# Altium PCB OZ440-SE110-CAR001.PcbDoc (part 1 of 2)
Units mm, origin at the board's own origin, x right, y up, seen from the top; angles counter-clockwise.
Board outline 181.1 x 89.8 mm, 4 copper layers (Top Layer, Mid-Layer 1, Mid-Layer 2, Bottom Layer), stack 1.448 mm thick; 81 components, 74 nets, 400 pads, 570 vias.
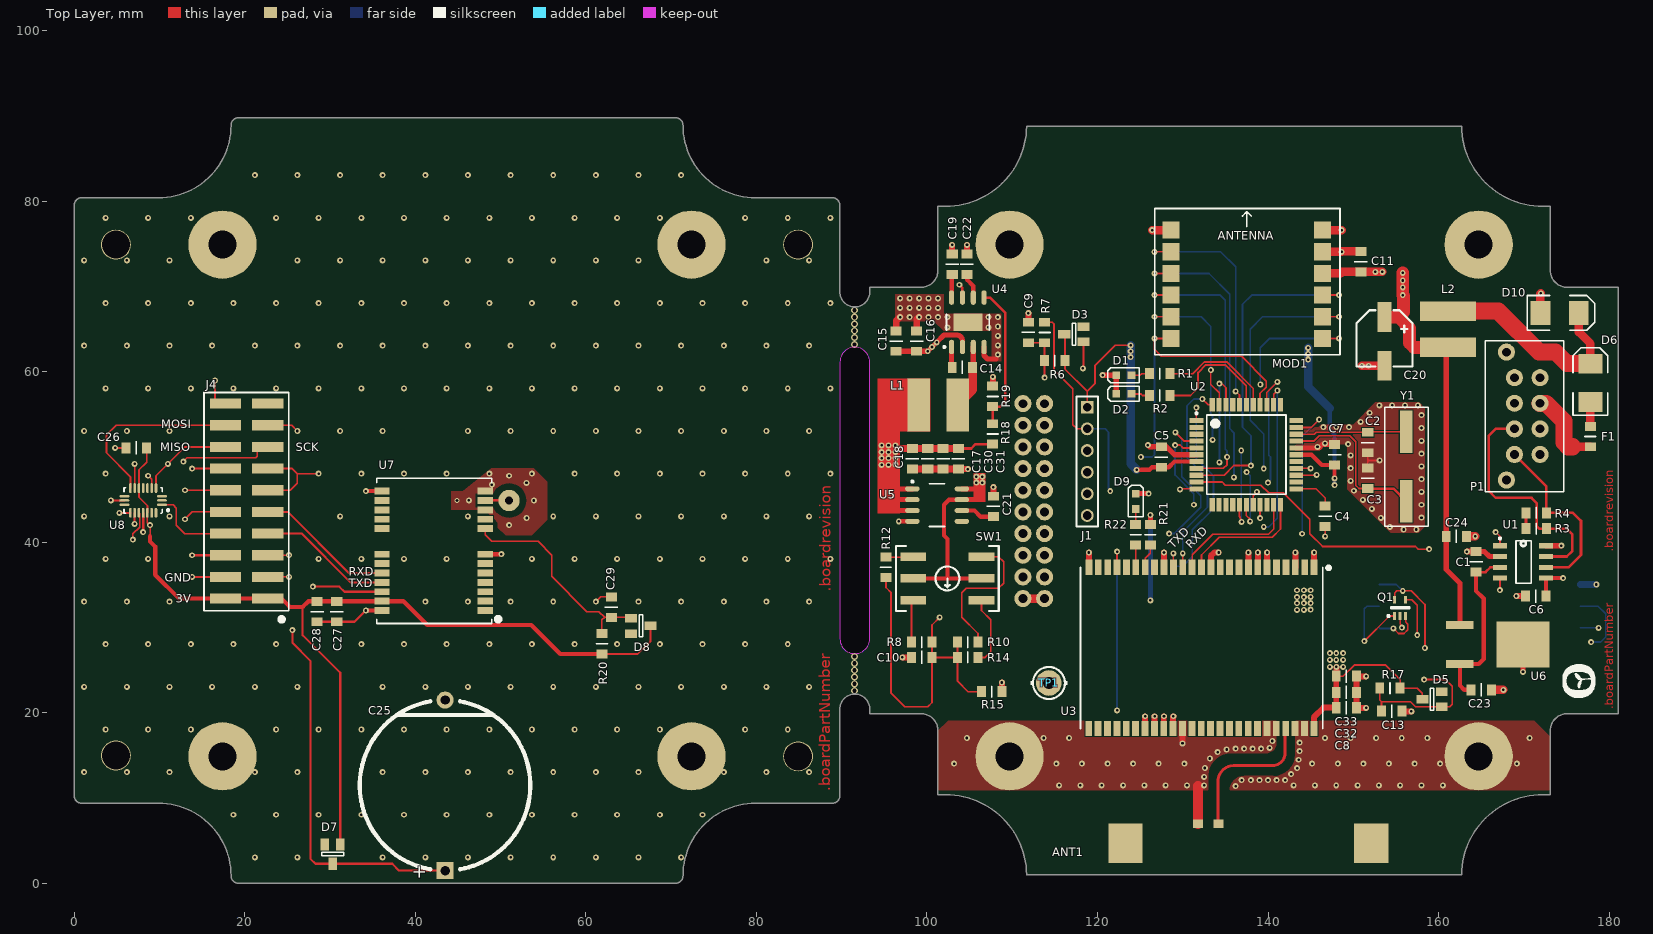
[diagram p0: Top Layer view]
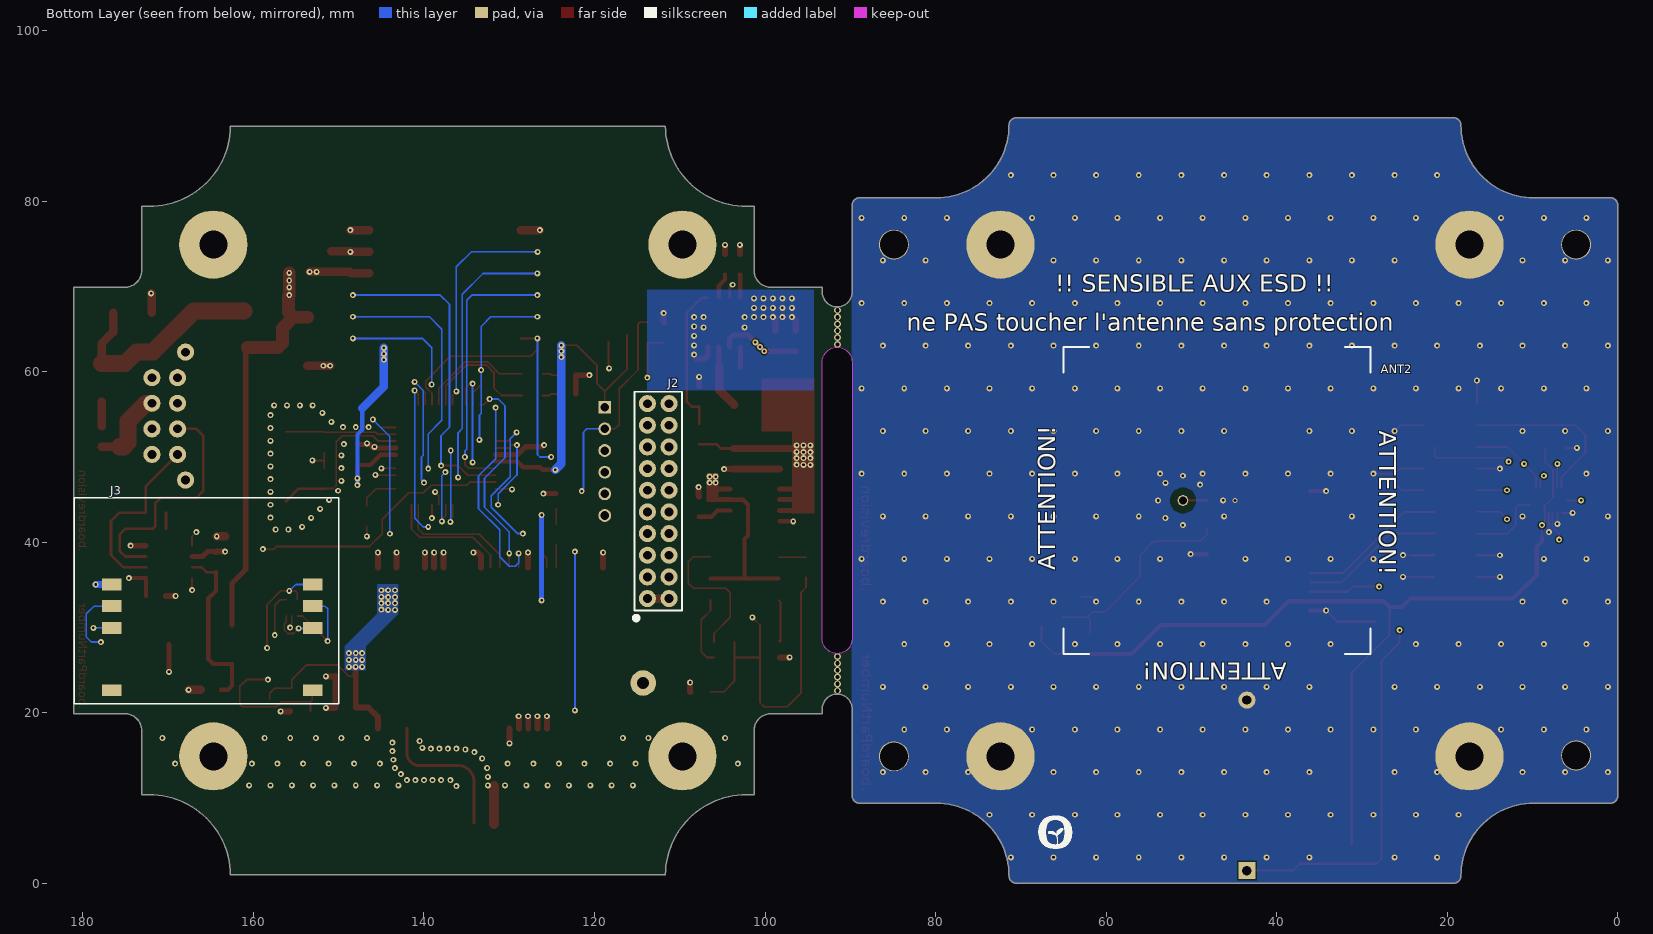
[diagram p1: Bottom Layer view, seen from below]
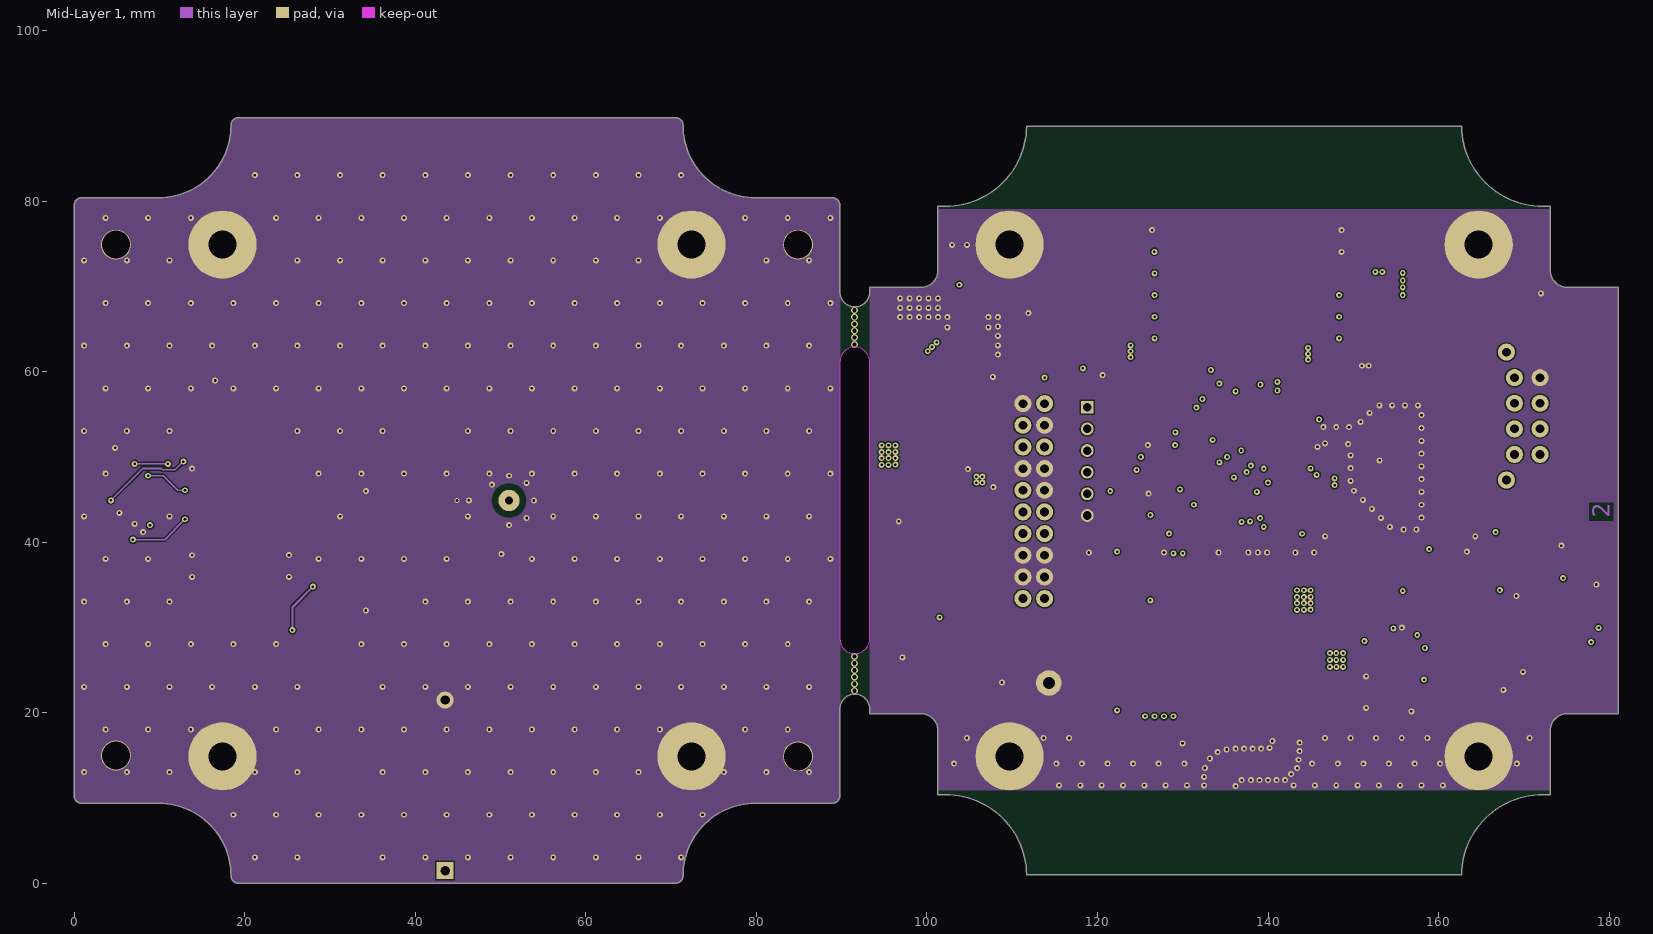
[diagram p2: Mid-Layer 1]
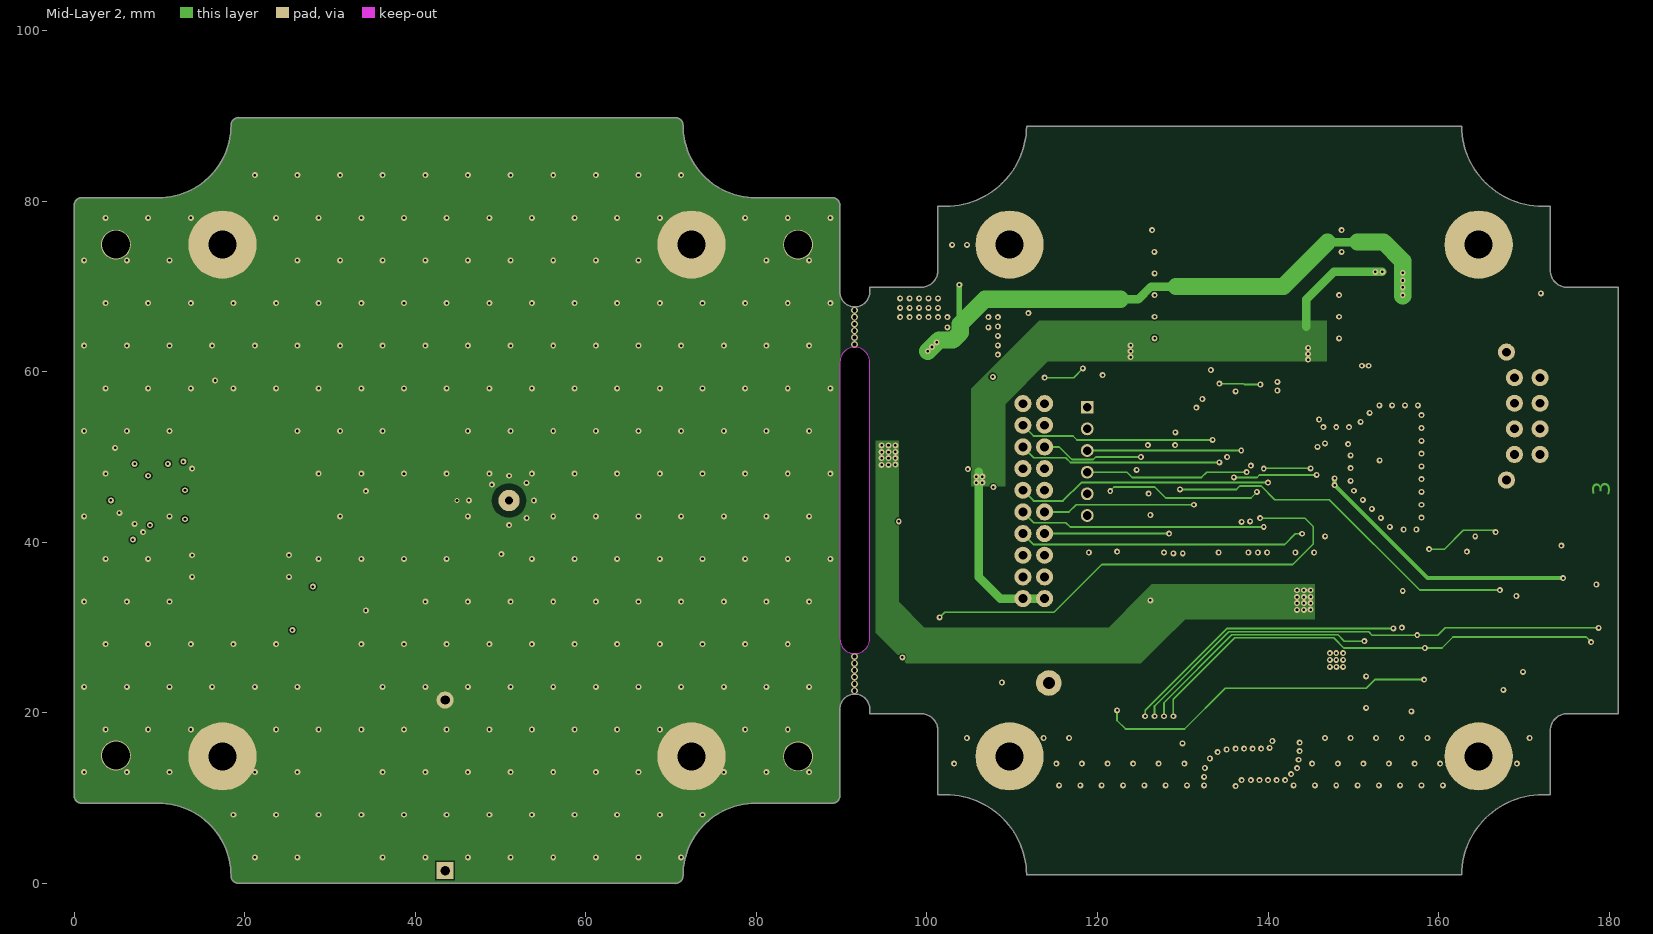
[diagram p3: Mid-Layer 2]
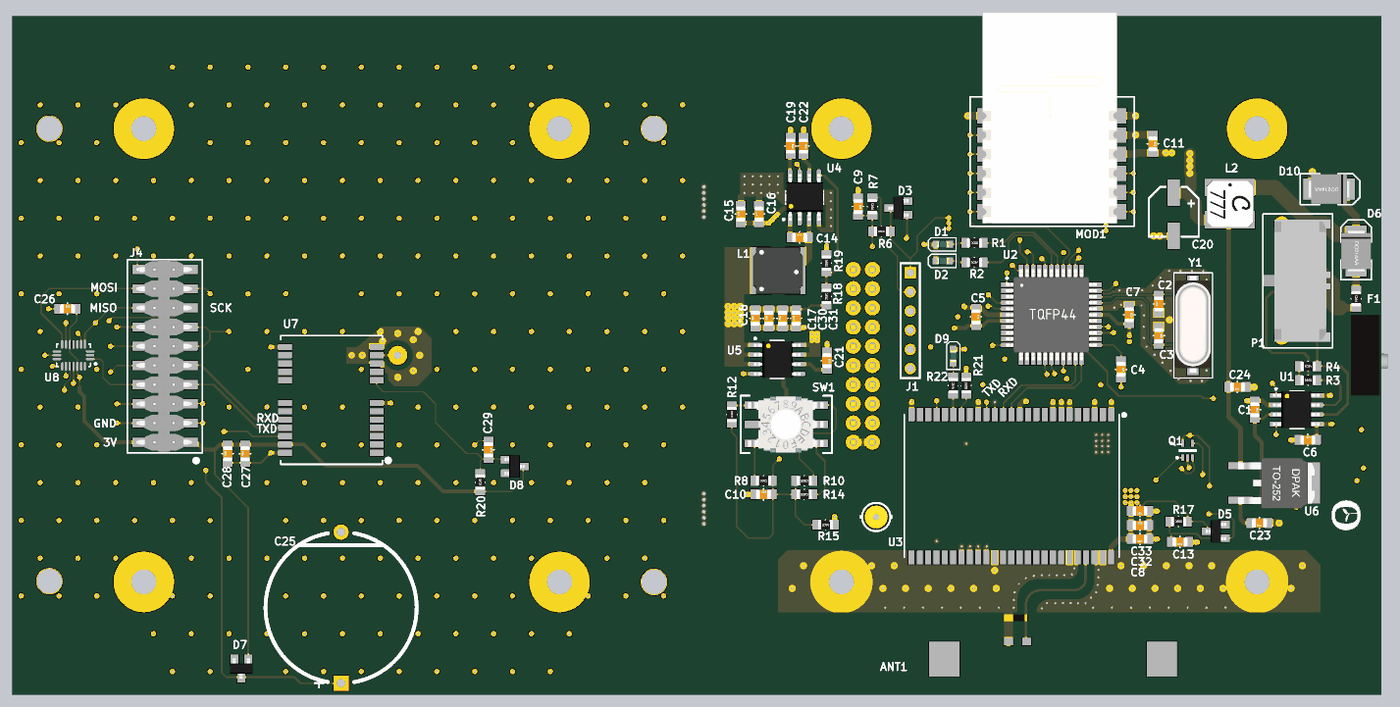
[diagram p5: 3D render of the assembled board from above, using the file's embedded part models]

## Layer stack, top to bottom
Top Layer: signal copper 0.0356
Dielectric: prepreg 0.288, FR-4, Dk 4.8
Mid-Layer 1: signal copper 0.0356
Dielectric: core 0.73, FR-4, Dk 4.8
Mid-Layer 2: signal copper 0.0356
Dielectric: prepreg 0.288, FR-4, Dk 4.8
Bottom Layer: signal copper 0.0356

## Board outline
9.9,9.4 cw(c9.9,0.9) 18.4,0.897 ccw(c19.296,0.896) 19.296,0 70.503,0 ccw(c70.503,0.896) 71.399,0.897 cw(c79.9,0.9) 79.9,9.4 88.904,9.4 ccw(c88.904,10.296) 89.799,10.296 89.799,20.447 89.8,20.447 cw(c91.55,20.447) 93.3,20.447 93.299,20.447 93.299,19.9 99.299,19.9 cw(c99.299,17.9) 101.299,17.9 101.299,10.4 102.199,10.4 cw(c102.199,0.9) 111.699,1 162.699,1 cw(c172.199,0.9) 172.199,10.4 173.099,10.4 173.099,17.9 cw(c175.099,17.9) 175.099,19.9 181.099,19.9 181.099,69.899 175.099,69.899 cw(c175.099,71.899) 173.099,71.899 173.099,79.399 172.199,79.399 cw(c172.199,88.9) 162.699,88.799 111.699,88.799 cw(c102.199,88.9) 102.199,79.399 101.299,79.399 101.299,71.899 cw(c99.299,71.899) 99.299,69.899 93.299,69.899 93.299,69.352 93.3,69.352 cw(c91.55,69.352) 89.8,69.352 89.799,69.353 89.799,79.504 ccw(c88.904,79.504) 88.904,80.399 79.9,80.399 cw(c79.9,88.9) 71.399,88.903 ccw(c70.503,88.903) 70.503,89.799 19.296,89.799 ccw(c19.296,88.903) 18.4,88.903 cw(c9.9,88.9) 9.9,80.399 0.896,80.399 ccw(c0.896,79.504) 0,79.504 0,10.296 ccw(c0.896,10.296) 0.896,9.4
cut-out: 89.799,28.692 ccw(c91.542,28.692) 91.542,26.949 91.547,26.949 ccw(c91.547,28.702) 93.299,28.702 93.299,61.107 ccw(c91.542,61.107) 91.542,62.865 ccw(c91.542,61.123) 89.799,61.123

## Design rules (kind name [scope] priority, off if disabled: settings)
AssemblyTestPointUsage [All] p1: valid=2
Clearance [All] p1: gap=0.15
FabricationTestPointUsage [All] p1: valid=2 allowmultiple=FALSE
HoleSize [All] p1: absolutevalues=TRUE maxlimit=5 minlimit=0.025 maxpercent=80.000 minpercent=20.000
MinimumSolderMaskSliver [All] p1: minsoldermaskwidth=0.07
PolygonConnect [All] p1: connectstyle=Direct reliefconductorwidth=0.254 reliefentries=4 polygonreliefangle="90 Angle" airgapwidth=0.254
RoutingVias [All] p1: holewidth=0.3 width=0.7 viastyle="Through Hole" minholewidth=0.3 minwidth=0.7 maxholewidth=4 maxwidth=4
SilkToSilkClearance [All] p1: silktosilkclearance=0.1
SilkscreenOverComponentPads [All] p1: minsilkscreentomaskgap=0.125
SolderMaskExpansion [All] p1: expansion=0.125
Width [All] p1: maxlimit=5 minlimit=0.15 preferedwidth=0.15
22 further rules are at their usual default settings.

## Classes and differential pairs
component class OZ440-SE110-CAR001-SCH1: ANT1 C1 C2 C3 C4 C5 C6 C7 C8 C9 C10 C11 C13 C32 C33 D1 D2 D3 D5 D9 J1 J2 J3 MOD1 P1 Q1 R1 R2 R3 R4 R6 R7 R8 R10 R12 R14 R15 R17 R21 R22 SW1 TP1 U1 U2 U3 Y1
component class U_OZ440-SE110-CAR001-SCH3: C14 C15 C16 C17 C18 C19 C20 C21 C22 C23 C24 C30 C31 D6 D10 F1 L1 L2 R18 R19 U4 U5 U6
component class U_OZ440-SE110-CAR001-SCH2: ANT2 C25 C26 C27 C28 C29 D7 D8 J4 R20 U7 U8

## Components (designator, comment, footprint, x,y, rotation, side; value= is the part's Value field where it differs from the comment)
ANT1 "ANT-STD-GSM" ANT_SMD-SPE-PA.22 152.1,4.7 r180 top locked
ANT2 "ANT-STD-GPS" ANT_SMD-SPE-GP_1575 51,44.9 r180 bottom locked
C1 "CAP-SMD" C0805-STD 164.4,37.7 r270 top
C2 "CAP-SMD" C0805-STD 151.7,51.7 r90 top
C3 "CAP-SMD" C0805-STD 151.7,47.5 r270 top
C4 "CAP-SMD" C0805-STD 146.7,43.049 r270 top
C5 "CAP-SMD" C0805-STD 127.5,50 r270 top locked
C6 "CAP-SMD" C0805-STD 171.4,33.7 r0 top
C7 "CAP-SMD" C0805-STD 147.8,50.267 r270 top
C8 "CAP-SMD" C0805-STD 149.2,20.6 r180 top
C9 "CAP-SMD" C0805-STD 111.9,64.6 r270 top
C10 "CAP-SMD" C0805-STD 99.4,26.5 r0 top
C11 "CAP-SMD" C0805-STD 150.9,72.9 r270 top
C13 "CAP-SMD" C0805-STD 154.5,20.2 r180 top
C14 "CAP-SMD" C0805-STD 104.17,60.5 r0 top
C15 "CAP-SMD" C0805-STD 96.4,63.6 r90 top
C16 "CAP-SMD" C0805-STD 98.8,63.6 r90 top
C17 "CAP-SMD" C0805-STD 100.1,49.8 r90 top
C18 "CAP-SMD" C0805-STD 98.3,49.8 r90 top
C19 "CAP-SMD" C0805-STD 102.97,72.6 r270 top
C20 "CAP-POL-SMD" CAP-ELECTRO-SMD 153.66,66.4 r0 top
C21 "CAP-SMD" C0805-STD 107.8,44.2 r270 top
C22 "CAP-SMD" C0805-STD 104.7,72.6 r270 top
C23 "CAP-SMD" C0805-STD 165,22.7 r180 top
C24 "CAP-SMD" C0805-STD 162.1,40.7 r180 top
C25 "CAP-POL-SMD" RADIAL-STD-P20-H5-D20 43.5,11.5 r90 top
C26 "CAP-SMD" C0805-STD 7.3,51.067 r0 top
C27 "CAP-SMD" C0805-STD 30.8,31.882 r90 top
C28 "CAP-SMD" C0805-STD 28.5,31.882 r90 top
C29 "CAP-SMD" C0805-STD 63,32.4 r270 top
C30 "CAP-SMD" C0805-STD 101.9,49.8 r90 top
C31 "CAP-SMD" C0805-STD 103.7,49.8 r90 top
C32 "CAP-SMD" C0805-STD 149.2,24.3 r180 top
C33 "CAP-SMD" C0805-STD 149.2,22.4 r0 top
D1 "LED" 0603-SPE-LED 123.1,59.59 r180 top
D2 "LED" 0603-SPE-LED 123.1,57.4 r180 top
D3 "BAS16-SOT23" SOT23-STD 116.1,64.4 r0 top
D5 "BAS16-SOT23" SOT23-STD 158.1,21.6 r0 top
D6 "DIODE_SCHOTKY-DO214AA" DO214AA-STD 177.8,58.7 r90 top
D7 "BAS40-SOT23" SOT23-STD 30.3,2.3 r90 top
D8 "BAS16-SOT23" SOT23-STD 67.6,30.2 r180 top
D9 "LED" 0603-SPE-LED 124.5,44.8 r90 top
D10 "DIODE_SCHOTKY-DO214AA" DO214AA-STD 174.2,66.9 r0 top
F1 "RES-SMD" R0805-STD 177.8,52.4 r90 top
J1 "CONN-STD-6P_1ROW" 6P_HEADER-STD_TH_1ROW 118.8,53.3 r90 top
J2 "CONN-STD-20P_2ROW" CONN-SPE_ESQ-110-12-G-D 113.8,33.4 r270 bottom
J3 "CONN-SPE_91228-3001_carte_SIM" CONN-SPE-91228-3001_SIM_MOLEX 153.06,35.052 r180 bottom locked
J4 "CONN-STD-20P_2ROW" CONN-SPE_TSM110-02-T 22.7,33.4 r90 top
L1 "IND-SMD" L-SPE-EPL6024 103.6,56.1 r180 top
L2 "IND-SMD" L-SPE-LPS6235 161.1,67.1 r270 top
MOD1 "MRF89X-SMD12" MOD-SPE-MRF89 128.626,76.606 r0 top locked
P1 "CONN-SPE-8P_MOLEX_43045-0801" CONN-SPE_MOLEX_43045-0812 171.9,59.3 r90 top
Q1 "SP0504-SC70" SC70-SPE-SP0504 155.5,32.3 r90 top
R1 "RES-SMD" R0805-STD 127.3,59.779 r180 top
R2 "RES-SMD" R0805-STD 127.3,57.211 r180 top
R3 "RES-SMD" R0805-STD 171.45,41.604 r0 top
R4 "RES-SMD" R0805-STD 171.45,43.454 r180 top
R6 "RES-SMD" R0805-STD 115,61.3 r0 top
R7 "RES-SMD" R0805-STD 113.8,64.6 r90 top
R8 "RES-SMD" R0805-STD 99.4,28.3 r0 top
R10 "RES-SMD" R0805-STD 104.8,28.3 r180 top
R12 "RES-SMD" R0805-STD 95.2,37.06 r270 top
R14 "RES-SMD" R0805-STD 104.8,26.5 r180 top
R15 "RES-SMD" R0805-STD 107.6,22.482 r180 top
R17 "RES-SMD" R0805-STD 154.3,22.9 r0 top
R18 "RES-SMD" R0805-STD 107.7,52.7 r270 top
R19 "RES-SMD" R0805-STD 107.7,57.1 r270 top
R20 "RES-SMD" R0805-STD 61.9,28.1 r270 top
R21 "RES-SMD" R0805-STD 126.2,40.9 r90 top
R22 "RES-SMD" R0805-STD 124.475,40.9 r270 top
SW1 "Switch-STD-coding_wheel" SW-SPE-CTS_220-AMA16 106.4,38.3 r180 top
TP1 "TP-STD-TEST_POINT" MEC-STD-TEST_POINT_DIAM1.4 114.3,23.5 r0 top
U1 "MCP2562-SOIC08" SO8-SPE-MCP2561 167.2,39.6 r0 top
U2 "P18F45K80-TQFP44" TQFP44-SPE-PIC18F45k80 137.465,50.267 r0 top locked
U3 "LEON-Gx-SPE-SMD" SMD50_SPE_LEON-Gx 119,37.06 r270 top locked
U4 "TPS54339-SO8" SO8_THERMAL-STD 102.9,62.9 r90 top
U5 "MCP1725-SO8" SO8-STD 98.3,46.267 r0 top
U6 "uA78MXX-TO252" TO252-SPE-UA78Mxx 162.5,30.3 r270 top
U7 "NEO_7-SMD24" SMD24-SPE-NEO7 48.2,32 r0 top
U8 "BMX055-LGA20" LGA20-SPE-BMX055 8.1,44.904 r180 top
Y1 "XTAL-SMD" XTAL-SPE-HC49_SMD 156.2,44.8 r90 top

## Footprints (in the part's own frame and the unit in brackets; to place one, negate y for a bottom-side part, rotate by r counter-clockwise, add the part's x,y. Pads: shape width x height; smd on the part's side, far side on the other; paste and mask are expansions set on the pad)
6P_HEADER-STD_TH_1ROW [mm] "6P TH header, 2.54mm pitch"
  rect 1.5x1.5 hole 1: 1(2.54,0)
  round 1.5 hole 1: 2(0,0) 3(-2.54,0) 4(-5.08,0) 5(-7.62,0) 6(-10.16,0)
  silkscreen extent -11.43,-1.27 3.81,1.27
0603-SPE-LED [mm]
  rect 0.9x0.9 smd: 1(-0.9,0) 2(0.9,0)
  silkscreen extent -1.78,-0.89 1.91,0.89, body extent -0.84,-0.37 0.81,0.36, height 0.68
ANT_SMD-SPE-GP_1575 [mm]
  round 1.25 / inner round 2.5 / far side round 2.5 hole 0.95: 1(0,0)
  silkscreen extent -14,-18 22,18, body extent -13.3,-17.5 21.7,17.5, height 3
ANT_SMD-SPE-PA.22 [mm]
  rect 1.2x1 smd: 1(17.9,-2.3) 2(20.3,-2.3)
  rect 4x4.6 smd: MEC1(0,0) MEC2(28.8,0)
  body extent -0.76,-2.54 29.21,2.54, height 6
C0805-STD [mm]
  rect 1.05x1.3 smd: 1(-1.2,0) 2(1.2,0)
  silkscreen extent 0,-0.76 0,0.76, body extent -1,-0.62 1,0.63, height 0.76
CAP-ELECTRO-SMD [mm]
  rect 1.6x3.5 smd: 1(0,0) 2(0,-5.7)
  silkscreen extent -3.3,-5.8 3.3,0.8
CONN-SPE-91228-3001_SIM_MOLEX [mm]
  rect 2.3x1.4 smd: C1(0,0) C2(0,-2.54) C3(0,-5.08) C4(0,-12.4) C5(-23.55,0) C6(-23.55,-2.54) C7(-23.55,-5.08) C8(-23.55,-12.4)
  silkscreen extent -27.94,-13.97 3.05,10.16, body extent -28.89,-14.53 3.31,10.47, height 3
CONN-SPE_ESQ-110-12-G-D [mm]
  round 2 hole 1.02: 1(0,0) 2(0,2.54) 3(-2.54,0) 4(-2.54,2.54) 5(-5.08,0) 6(-5.08,2.54) 7(-7.62,0) 8(-7.62,2.54) 9(-10.16,0) 10(-10.16,2.54) 11(-12.7,0) 12(-12.7,2.54) 13(-15.24,0) 14(-15.24,2.54) 15(-17.78,0) 16(-17.78,2.54) 17(-20.32,0) 18(-20.32,2.54) 19(-22.86,0) 20(-22.86,2.54)
  silkscreen extent -24.26,-1.57 2.53,4.06, body extent -24.36,-1.24 1.55,3.84, height 1.83
CONN-SPE_MOLEX_43045-0812 [mm]
  round 2 hole 1.02: 1(0,0) 2(-3,0) 3(-6,0) 4(-9,0) 5(0,3) 6(-3,3) 7(-6,3) 8(-9,3) FIX1(-12,3.94) FIX2(3,3.94)
  silkscreen extent -13.39,-2.79 4.32,6.43, body extent -12.57,-2.45 3.58,6.32, height 9.95
CONN-SPE_TSM110-02-T [mm] "16 pin, 2.54mm header"
  rect 1.2x3.68 smd: 1(0,0) 3(2.54,0) 5(5.08,0) 7(7.62,0) 9(10.16,0) 11(12.7,0) 13(15.24,0) 15(17.78,0) 17(20.32,0) 19(22.86,0)
  rect 1.2x3.68 smd paste+0: 2(0,4.95) 2(0,4.95) 4(2.54,4.95) 6(5.08,4.95) 8(7.62,4.95) 10(10.16,4.95) 12(12.7,4.95) 14(15.24,4.95) 16(17.78,4.95) 18(20.32,4.95) 20(22.86,4.95)